# Altium PCB waffling80-MX-south.PcbDoc (part 1 of 3)
Units mm, origin at the board's own origin, x right, y up, seen from the top; angles counter-clockwise.
Board outline 343.71 x 126.52 mm, 2 copper layers (Component Side, Bottom Layer), stack 1.171 mm thick; 249 components, 145 nets, 1060 pads, 159 vias.
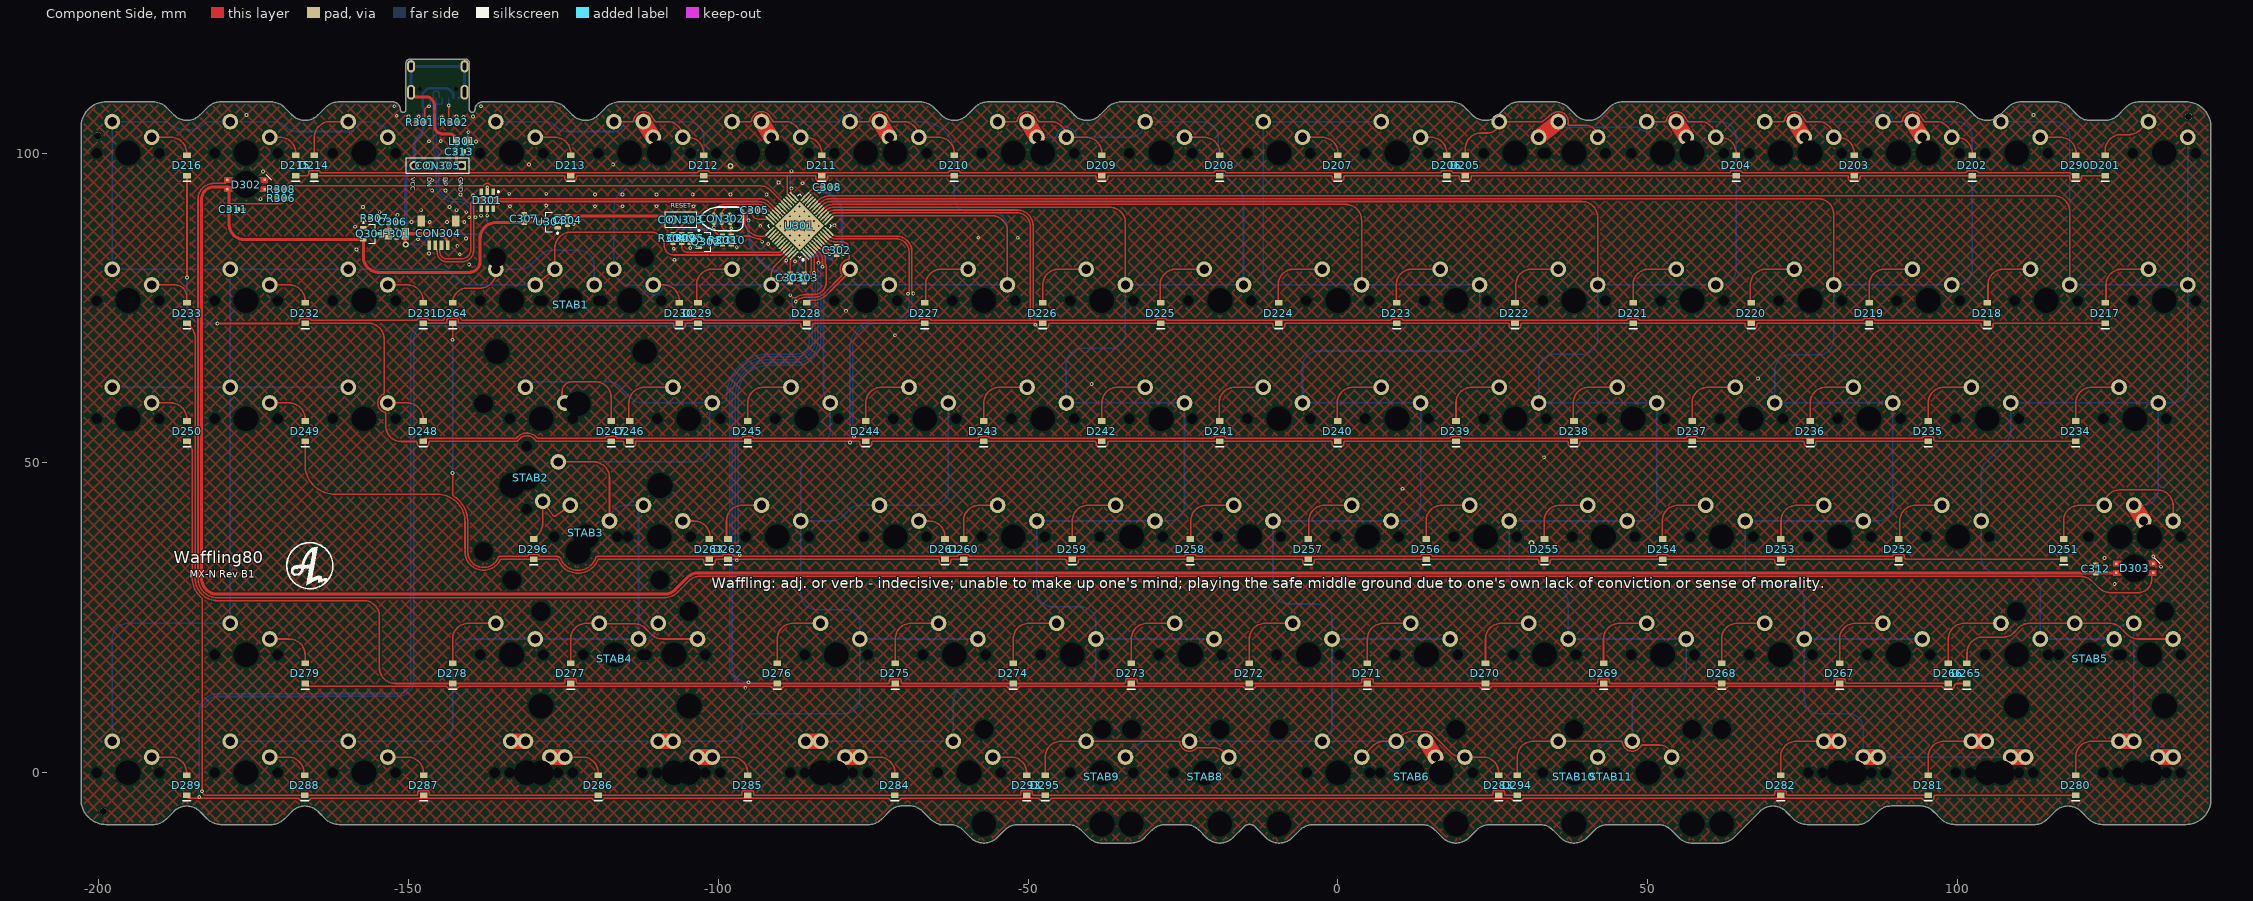
[diagram p0: Component Side view]
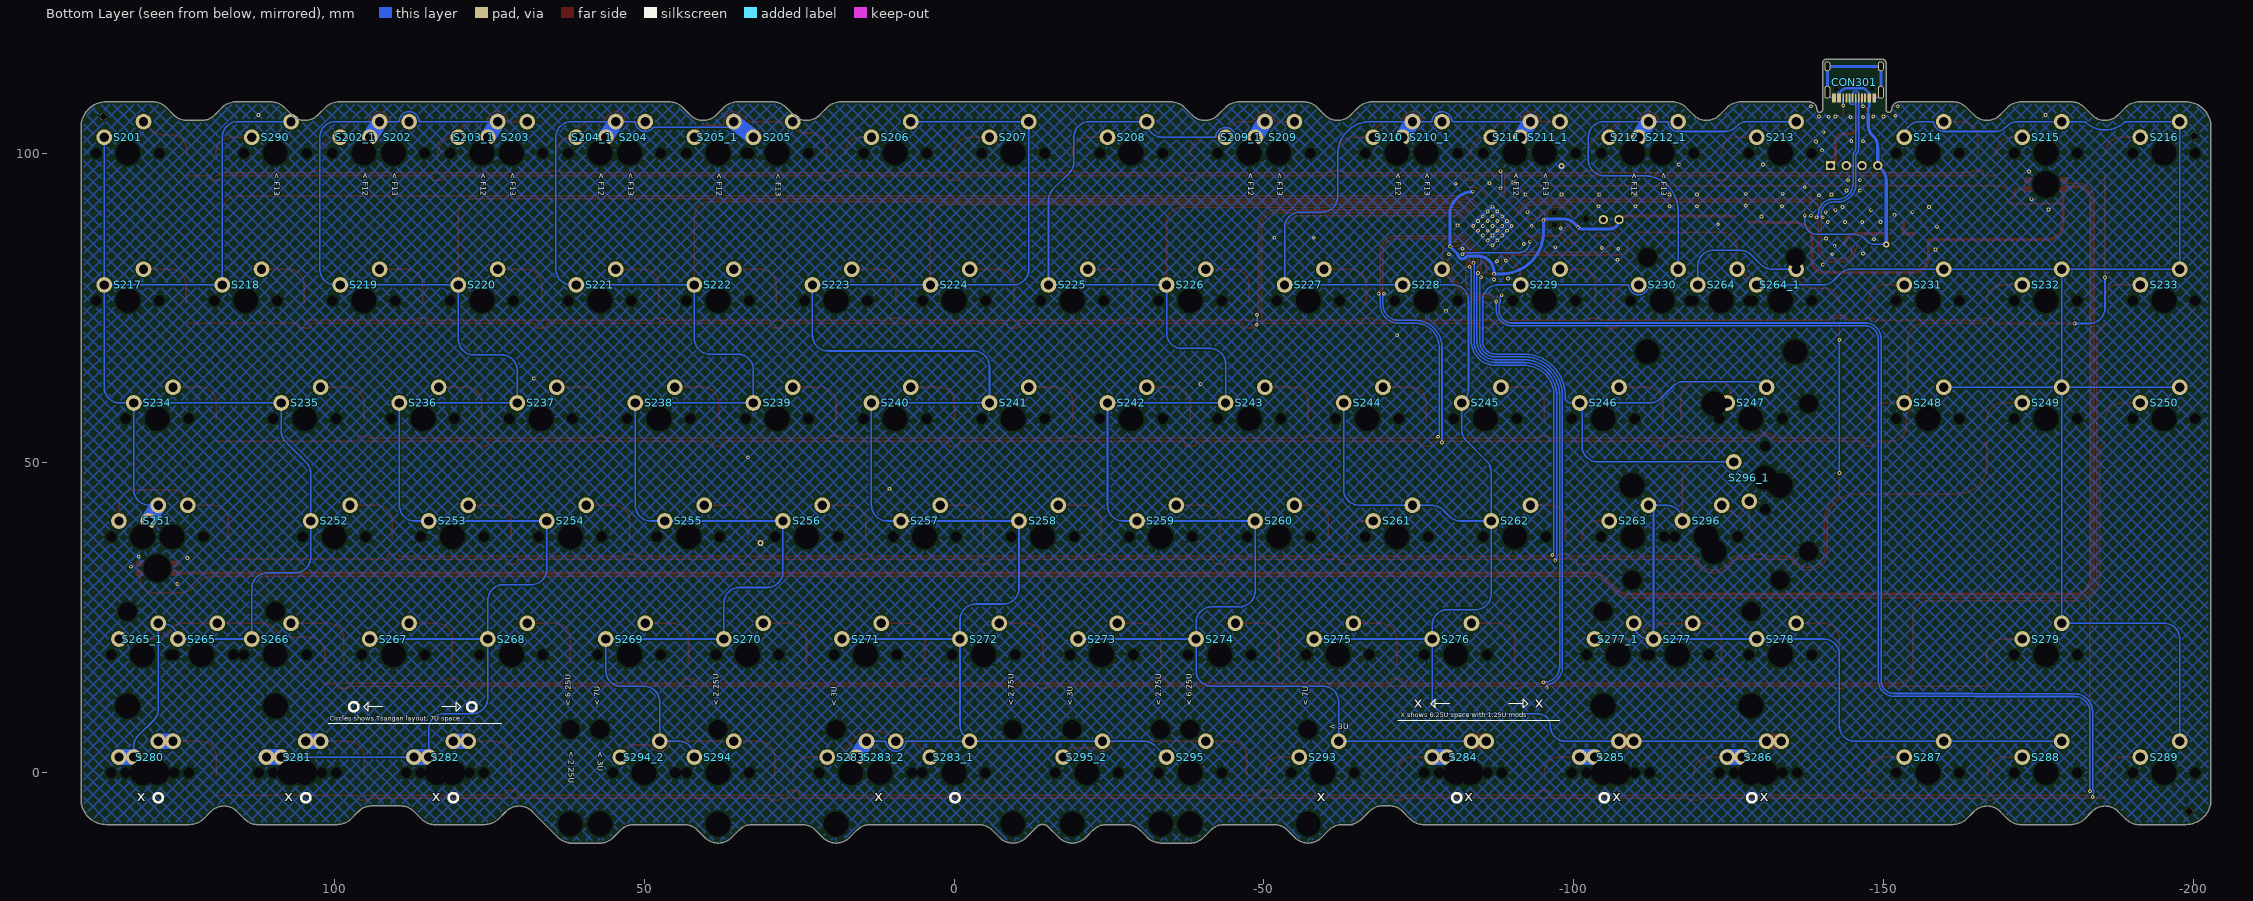
[diagram p1: Bottom Layer view, seen from below]
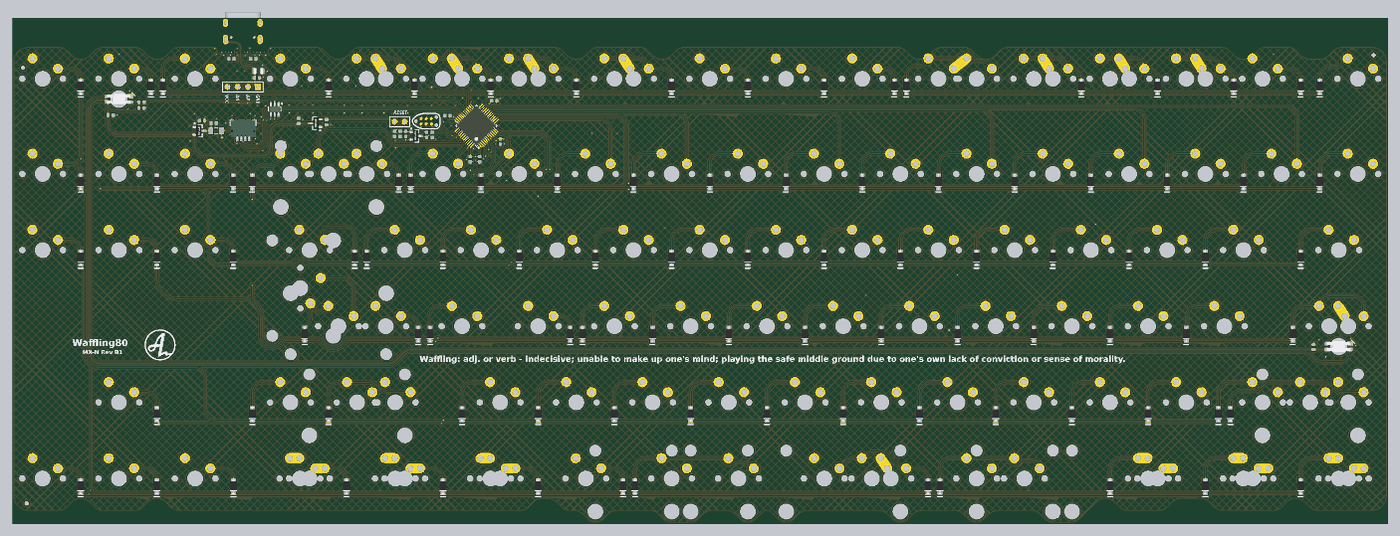
[diagram p4: 3D render of the assembled board from above, using the file's embedded part models]

## Layer stack, top to bottom
Top Solder: solder mask 0.0102, Solder Resist, Dk 3.5
Component Side: signal copper 0.0356
Dielectric 1: core 1.1, FR-4, Dk 4.2
Bottom Layer: signal copper 0.0356
Solder Side: solder mask 0.0102, Solder Resist, Dk 3.5

## Board outline
-198.845,-8.351 ccw(c-198.781,-4.321) -198.781,-8.352 ccw(c-198.781,-8.301) -198.774,-8.351 -191.269,-8.351 ccw(c-191.269,-5.235) -189.065,-7.438 -187.858,-6.231 cw(c-185.756,-8.301) -183.53,-6.366 ccw(c-183.492,-6.333) -183.527,-6.368 -182.457,-7.438 ccw(c-180.254,-5.235) -180.254,-8.351 -172.219,-8.351 ccw(c-172.219,-5.235) -170.015,-7.438 -168.808,-6.231 cw(c-166.706,-8.301) -164.48,-6.365 ccw(c-164.442,-6.333) -164.477,-6.368 -163.407,-7.438 ccw(c-161.204,-5.235) -161.204,-8.351 ccw(c-161.204,-8.301) -161.203,-8.351 -75.805,-8.351 ccw(c-75.805,-5.235) -73.601,-7.438 -72.377,-6.214 cw(c-70.276,-8.284) -70.276,-5.334 -69.116,-5.334 cw(c-69.116,-4.576) -69.116,-5.334 cw(c-69.116,-8.284) -66.89,-6.349 ccw(c-66.852,-6.316) -66.887,-6.352 -65.8,-7.438 ccw(c-63.597,-5.235) -64.316,-8.267 ccw(c-64.278,-8.3) -64.278,-8.351 -63.653,-8.351 ccw(c-63.597,-5.25) -63.597,-8.351 ccw(c-63.597,-8.301) -63.589,-8.351 -62.635,-8.351 cw(c-62.635,-11.366) -60.502,-9.234 -59.294,-10.442 ccw(c-57.137,-8.285) -54.98,-10.442 -53.772,-9.234 cw(c-51.64,-11.366) -51.64,-8.351 -43.589,-8.351 cw(c-43.589,-11.367) -41.457,-9.235 -40.249,-10.443 ccw(c-38.092,-8.286) -38.092,-11.336 ccw(c-38.092,-11.286) -38.09,-11.336 -33.368,-11.336 ccw(c-33.368,-8.286) -31.211,-10.443 -30.002,-9.235 -30.003,-9.235 -30.002,-9.235 cw(c-27.87,-11.367) -27.87,-8.351 -24.577,-8.351 cw(c-24.577,-11.367) -22.445,-9.235 -21.237,-10.443 ccw(c-19.08,-8.286) -16.923,-10.443 -15.171,-8.691 cw(c-14.286,-9.576) -13.4,-8.691 -11.649,-10.443 ccw(c-11.305,-10.099) -11.649,-10.443 ccw(c-9.492,-8.286) -7.335,-10.443 -6.126,-9.235 -6.127,-9.235 -6.126,-9.235 cw(c-3.994,-11.367) -3.994,-8.351 13.523,-8.351 cw(c13.523,-11.367) 15.655,-9.235 16.863,-10.443 ccw(c19.02,-8.286) 21.177,-10.443 22.386,-9.235 22.385,-9.235 22.386,-9.235 cw(c24.518,-11.367) 24.518,-8.351 32.573,-8.351 cw(c32.573,-11.367) 34.705,-9.235 35.913,-10.443 ccw(c38.07,-8.286) 40.227,-10.443 41.436,-9.235 41.435,-9.235 41.436,-9.235 cw(c43.568,-11.367) 43.568,-8.351 51.655,-8.351 cw(c51.655,-11.367) 53.787,-9.235 54.995,-10.443 ccw(c57.152,-8.286) 57.152,-11.336 ccw(c57.152,-11.286) 57.161,-11.336 61.715,-11.335 ccw(c61.717,-11.28) 61.717,-11.335 ccw(c61.717,-8.219) 61.729,-11.335 61.986,-11.335 ccw(c61.986,-11.285) 62.022,-11.32 ccw(c61.717,-8.219) 63.92,-10.423 68.112,-6.231 cw(c68.074,-6.193) 68.112,-6.231 cw(c70.214,-8.301) 72.44,-6.365 ccw(c72.478,-6.333) 72.443,-6.368 73.513,-7.438 ccw(c75.716,-5.235) 75.716,-8.351 83.766,-8.351 ccw(c83.766,-5.235) 85.969,-7.438 87.177,-6.231 cw(c89.278,-8.301) 89.278,-5.351 94.112,-5.351 ccw(c94.125,-5.302) 94.123,-5.353 cw(c94.024,-8.301) 96.25,-6.366 ccw(c96.288,-6.333) 96.253,-6.368 97.323,-7.438 ccw(c99.526,-5.235) 99.526,-8.351 112.321,-8.351 ccw(c112.321,-5.235) 114.525,-7.438 115.732,-6.231 cw(c117.834,-8.301) 120.06,-6.365 ccw(c120.098,-6.333) 120.063,-6.368 121.133,-7.438 ccw(c123.336,-5.235) 123.336,-8.351 136.832,-8.351 ccw(c136.832,-4.301) 140.882,-4.301 ccw(c140.832,-4.301) 140.881,-4.294 140.881,104.231 ccw(c140.831,104.232) 140.881,104.232 ccw(c136.831,104.232) 136.831,108.282 ccw(c136.831,108.232) 136.824,108.282 129.318,108.282 ccw(c129.318,105.165) 127.115,107.369 125.867,106.121 cw(c123.806,108.231) 123.807,105.282 ccw(c123.806,105.234) 123.805,105.282 121.432,105.282 ccw(c121.432,105.263) 121.432,105.282 cw(c121.425,108.231) 119.165,106.335 ccw(c119.128,106.304) 119.162,106.339 118.132,107.369 ccw(c115.928,105.165) 115.929,108.282 110.269,108.282 ccw(c110.269,105.165) 108.065,107.369 106.858,106.161 cw(c106.882,106.138) 106.858,106.162 106.858,106.161 cw(c104.756,108.231) 102.53,106.296 ccw(c102.494,106.265) 102.527,106.299 101.457,107.369 ccw(c99.254,105.165) 99.254,108.282 97.338,108.282 47.826,108.282 ccw(c47.825,108.228) 47.825,108.282 45.975,108.282 cw(c45.975,108.259) 45.975,108.282 47.826,108.282 45.975,108.282 ccw(c45.975,105.165) 43.771,107.369 42.564,106.161 cw(c40.462,108.231) 38.236,106.296 ccw(c38.2,106.265) 38.233,106.299 37.163,107.369 ccw(c34.96,105.165) 34.96,108.282 29.292,108.282 ccw(c29.292,105.165) 27.088,107.369 25.881,106.161 cw(c23.779,108.231) 21.553,106.296 ccw(c21.517,106.265) 21.55,106.299 20.48,107.369 ccw(c18.277,105.165) 18.277,108.282 17.191,108.282 -34.988,108.282 ccw(c-34.988,108.249) -34.989,108.282 cw(c-34.989,107.503) -34.988,108.282 -34.989,108.282 ccw(c-34.988,105.165) -37.192,107.369 -38.399,106.161 cw(c-40.501,108.231) -42.727,106.296 ccw(c-42.763,106.265) -42.73,106.299 -43.8,107.369 ccw(c-46.003,105.165) -46.003,108.282 -56.419,108.282 ccw(c-56.419,105.165) -58.623,107.369 -59.83,106.161 cw(c-61.932,108.231) -64.158,106.296 ccw(c-64.194,106.265) -64.161,106.299 -65.231,107.369 ccw(c-67.434,105.165) -67.434,108.282 -115.934,108.282 ccw(c-115.934,108.249) -115.935,108.282 cw(c-115.934,107.503) -115.934,108.282 -115.935,108.282 ccw(c-115.934,105.165) -118.138,107.369 -119.345,106.161 cw(c-119.321,106.138) -119.344,106.162 -119.345,106.161 cw(c-121.447,108.231) -123.673,106.296 ccw(c-123.709,106.265) -123.675,106.299 -124.745,107.369 ccw(c-126.949,105.165) -126.949,108.282 -138.006,108.282 ccw(c-138.006,107.025) -139.262,107.025 cw(c-139.712,107.025) -140.161,107.025 -140.161,114.537 ccw(c-140.805,114.537) -140.805,115.182 -149.745,115.182 ccw(c-149.745,114.521) -150.406,114.521 -150.406,107.025 cw(c-150.855,107.025) -151.305,107.025 ccw(c-152.561,107.025) -152.561,108.282 -161.193,108.282 ccw(c-161.193,105.165) -163.397,107.369 -164.604,106.161 cw(c-166.706,108.231) -168.932,106.296 ccw(c-168.968,106.265) -168.935,106.299 -170.005,107.369 ccw(c-172.208,105.165) -172.208,108.282 -180.243,108.282 ccw(c-180.243,105.165) -182.447,107.369 -183.654,106.161 cw(c-185.756,108.231) -187.982,106.296 ccw(c-188.018,106.265) -187.985,106.299 -189.055,107.369 ccw(c-191.258,105.165) -191.258,108.282 -198.781,108.282 ccw(c-198.781,104.231) -202.832,104.231 ccw(c-202.782,104.231) -202.831,104.224 -202.831,-4.301 ccw(c-202.781,-4.301) -202.831,-4.302 cw(c-201.819,-4.302) -202.831,-4.301 -202.831,-4.302 ccw(c-198.781,-4.301)

## Design rules (kind name [scope] priority, off if disabled: settings)
BoardOutlineClearance [All] p1: gap=0.254 ignorepadtopadclearanceinfootprint=FALSE except(0: Arc-SplitContinuation Track-SplitContinuation SMDPad-SplitContinuation THPad-SplitContinuation Via-SplitContinuation Fill-SplitContinuation Poly-SplitContinuation Region-SplitContinuation Text-SplitContinuation)
Clearance [All] p1: gap=0.2 ignorepadtopadclearanceinfootprint=FALSE except(0: Arc-Hole Track-Hole SMDPad-Hole THPad-Hole Via-Hole Fill-Hole Poly-Hole Region-Hole Text-Hole; 0.254: THPad-THPad THPad-Via THPad-Fill THPad-Poly THPad-Region THPad-Text Via-Via Via-Fill Via-Poly Via-Region Via-Text Fill-Fill Fill-Poly Fill-Region Fill-Text Poly-Poly Poly-Region Poly-Text Region-Region Region-Text Text-Text)
ComponentClearance [InComponent('No Component') And OnLayer('Component Side')] p1: gap=0.254 collisioncheckmode=3 verticalgap=0.254 showdistances=FALSE
DiffPairsRouting DiffPairsRouting_USB [InDifferentialPairClass('All Differential Pairs')] p1: maxlimit=0.254 minlimit=0.203 mostfreqgap=0.203 toplayer_minwidth=0.152 toplayer_maxwidth=0.381 toplayer_prefwidth=0.152 bottomlayer_minwidth=0.152 bottomlayer_maxwidth=0.381 bottomlayer_prefwidth=0.152 maxuncoupledlength=12.7
DiffPairsRouting [All] p2: maxlimit=0.254 minlimit=0.254 mostfreqgap=0.254 toplayer_minwidth=0.381 toplayer_maxwidth=0.381 toplayer_prefwidth=0.381 bottomlayer_minwidth=0.381 bottomlayer_maxwidth=0.381 bottomlayer_prefwidth=0.381 maxuncoupledlength=12.7
HoleSize [All] p1: absolutevalues=TRUE maxlimit=20 minlimit=0.025 maxpercent=80.000 minpercent=20.000
MatchedLengths MatchedLengths_USB_DiffPairs_1 [All] p1: tolerance=0.127 checknetsindiffpair=TRUE checkdiffpairvsdiffpair=FALSE checkxsignals=FALSE checkothers=FALSE
MatchedLengths MatchedLengths_USB_DiffPairs [All] p2: tolerance=0.127 checknetsindiffpair=TRUE checkdiffpairvsdiffpair=FALSE checkxsignals=FALSE checkothers=FALSE
PolygonConnect PolygonConnect_1 [All vs IsVia] p1: connectstyle=Direct reliefconductorwidth=0.254 reliefentries=4 polygonreliefangle="90 Angle" airgapwidth=0.254
PolygonConnect [All] p2: connectstyle=Relief reliefconductorwidth=0.254 reliefentries=4 polygonreliefangle="90 Angle" airgapwidth=0.254
RoutingVias [All] p1: holewidth=0.711 width=1.27 viastyle="Through Hole" minholewidth=0.711 minwidth=1.27 maxholewidth=0.711 maxwidth=1.27
SolderMaskExpansion [All] p1: expansion=0.102 istentingtop=FALSE
Width [All] p1: maxlimit=2.54 minlimit=0.203 preferedwidth=0.254 minimp=50.000000 maximp=50.000000 favimp=50.000000
27 further rules are at their usual default settings.

## Classes and differential pairs
component class Designator: C201 C202 C203 C204 C205 C206 D201 D202 D203 D204 D205 D206 D207 D208 D209 D210 D211 D212 D213 D214 D215 D216 D217 D218 D219 D220 D221 D222 D223 D224 D225 D226 D227 D228 D229 D230 D231 D232 D233 D234 D235 D236 D237 D238 D239 D240 D241 D242 D243 D244 D245 D246 D247 D248 D249 D250 D251 D252 D253 D254 D255 D256 D257 D258 D259 D260 D261 D262 D263 D264 D265 D266 D267 D268 D269 D270 D271 D272 D273 D274 D275 D276 D277 D278 D279 D280 D281 D282 D283 D284 D285 D286 D287 D288 D289 D290 D293 D294 D295 D296 S201 S202 S202_1 S203 S203_1 S204 S204_1 S205 S205_1 S206 S207 S208 S209 S209_1 S210 S210_1 S211 S211_1 S212 S212_1 S213 S214 S215 S216 S217 S218 S219 S220 S221 S222 S223 S224 S225 S226 S227 S228 S229 S230 S231 S232 S233 S234 S235 S236 S237 S238 S239 S240 S241 S242 S243 S244 S245 S246 S247 S248 S249 S250 S251 S252 S253 S254 S255 S256 S257 S258 S259 S260 S261 S262 S263 S264 S264_1 S265 S265_1 S266 S267 S268 S269 S270 S271 S272 S273 S274 S275 S276 S277 S277_1 S278 S279 S280 S281 S282 S283 S283_1 S283_2 S284 S285 S286 S287 S288 S289 S290 S293 S294 S294_2 S295 S295_2 S296 S296_1 STAB1 STAB2 STAB3 STAB4 STAB5 STAB6 STAB8 STAB9 STAB10 STAB11
differential pair D: +D_P -D_N

## Components (designator, comment, footprint, x,y, rotation, side; value= is the part's Value field where it differs from the comment)
C301 "" C0603[1608] -88.392,79.883 r90 top value=0.1uF
C302 "" C0603[1608] -80.899,84.328 r90 top value=0.1uF
C303 "" C0603[1608] -86.106,79.883 r90 top value=0.1uF
C304 "" C0603[1608] -124.333,89.154 r90 top value=0.1uF
C305 "" C0603[1608] -94.107,90.805 r180 top value=0.1uF
C306 "" C0603[1608] -152.527,88.9 r180 top value=4.7uF
C307 "" C0603[1608] -131.319,89.456 r270 top value=1uF
C308 "" C0603[1608] -82.423,94.488 r180 top value=0.1uF
C309 "" C0603[1608] -105.918,86.233 r90 top value=4.7uF
C310 "" C0603[1608] -97.917,85.979 r270 top value=470nF
C311 "" C0603[1608] -178.263,90.912 r180 top value=0.1uF
C312 "" C0603[1608] 122.301,32.893 r270 top value=0.1uF
C313 "" C0603[1608] -141.777,100.225 r180 top value=0.1uF
CON301 "TYPE-C-31-M-12" TYPE-C-31-M-12 -145.257,108.92 r0 bottom
CON302 "TC2030-IDC" TC2030-IDC-NL -99.441,89.408 r0 top
CON303 "Header 2" HDR1X2 -104.775,89.281 r180 top
CON304 "Header 5" "JST SM04B-SRSS-TB" -145.161,89.027 r180 top
CON305 "Header 4" HDR1X4 -149.067,98 r0 top
D201 "Diode" SOD-123 123.824,98.012 r90 top
D202 "Diode" SOD-123 102.362,98.012 r90 top
D203 "Diode" SOD-123 83.312,98.012 r90 top
D204 "Diode" SOD-123 64.262,98.012 r90 top
D205 "Diode" SOD-123 20.549,98.012 r90 top
D206 "Diode" SOD-123 17.549,98.012 r90 top
D207 "Diode" SOD-123 -0.001,98.012 r90 top
D208 "Diode" SOD-123 -19.051,98.012 r90 top
D209 "Diode" SOD-123 -38.101,98.012 r90 top
D210 "Diode" SOD-123 -61.914,98.012 r90 top
D211 "Diode" SOD-123 -83.312,98.012 r90 top
D212 "Diode" SOD-123 -102.362,98.012 r90 top
D213 "Diode" SOD-123 -123.826,98.012 r90 top
D214 "Diode" SOD-123 -165.188,98.012 r90 top
D215 "Diode" SOD-123 -168.188,98.012 r90 top
D216 "Diode" SOD-123 -185.737,98.012 r90 top
D217 "Diode" SOD-123 123.824,74.2 r90 top
D218 "Diode" SOD-123 104.774,74.2 r90 top
D219 "Diode" SOD-123 85.724,74.2 r90 top
D220 "Diode" SOD-123 66.674,74.2 r90 top
D221 "Diode" SOD-123 47.624,74.2 r90 top
D222 "Diode" SOD-123 28.574,74.2 r90 top
D223 "Diode" SOD-123 9.524,74.2 r90 top
D224 "Diode" SOD-123 -9.526,74.2 r90 top
D225 "Diode" SOD-123 -28.576,74.2 r90 top
D226 "Diode" SOD-123 -47.626,74.2 r90 top
D227 "Diode" SOD-123 -66.676,74.2 r90 top
D228 "Diode" SOD-123 -85.726,74.2 r90 top
D229 "Diode" SOD-123 -103.276,74.2 r90 top
D230 "Diode" SOD-123 -106.275,74.2 r90 top
D231 "Diode" SOD-123 -147.637,74.2 r90 top
D232 "Diode" SOD-123 -166.688,74.2 r90 top
D233 "Diode" SOD-123 -185.737,74.2 r90 top
D234 "Diode" SOD-123 119.062,55.15 r90 top
D235 "Diode" SOD-123 95.249,55.15 r90 top
D236 "Diode" SOD-123 76.199,55.15 r90 top
D237 "Diode" SOD-123 57.149,55.15 r90 top
D238 "Diode" SOD-123 38.099,55.15 r90 top
D239 "Diode" SOD-123 19.049,55.15 r90 top
D240 "Diode" SOD-123 -0.001,55.15 r90 top
D241 "Diode" SOD-123 -19.051,55.15 r90 top
D242 "Diode" SOD-123 -38.101,55.15 r90 top
D243 "Diode" SOD-123 -57.151,55.15 r90 top
D244 "Diode" SOD-123 -76.201,55.15 r90 top
D245 "Diode" SOD-123 -95.251,55.15 r90 top
D246 "Diode" SOD-123 -114.301,55.15 r90 top
D247 "Diode" SOD-123 -117.3,55.15 r90 top
D248 "Diode" SOD-123 -147.637,55.15 r90 top
D249 "Diode" SOD-123 -166.688,55.15 r90 top
D250 "Diode" SOD-123 -185.737,55.15 r90 top
D251 "Diode" SOD-123 117.099,36.1 r90 top
D252 "Diode" SOD-123 90.487,36.1 r90 top
D253 "Diode" SOD-123 71.437,36.1 r90 top
D254 "Diode" SOD-123 52.387,36.1 r90 top
D255 "Diode" SOD-123 33.337,36.1 r90 top
D256 "Diode" SOD-123 14.287,36.1 r90 top
D257 "Diode" SOD-123 -4.763,36.1 r90 top
D258 "Diode" SOD-123 -23.813,36.1 r90 top
D259 "Diode" SOD-123 -42.863,36.1 r90 top
D260 "Diode" SOD-123 -60.413,36.1 r90 top
D261 "Diode" SOD-123 -63.413,36.1 r90 top
D262 "Diode" SOD-123 -98.431,36.1 r90 top
D263 "Diode" SOD-123 -101.431,36.1 r90 top
D264 "Diode" SOD-123 -142.876,74.2 r90 top
D265 "Diode" SOD-123 101.514,16.05 r90 top
D266 "Diode" SOD-123 98.514,16.05 r90 top
D267 "Diode" SOD-123 80.962,16.05 r90 top
D268 "Diode" SOD-123 61.912,16.05 r90 top
D269 "Diode" SOD-123 42.862,16.05 r90 top
D270 "Diode" SOD-123 23.812,16.05 r90 top
D271 "Diode" SOD-123 4.762,16.05 r90 top
D272 "Diode" SOD-123 -14.288,16.05 r90 top
D273 "Diode" SOD-123 -33.338,16.05 r90 top
D274 "Diode" SOD-123 -52.388,16.05 r90 top
D275 "Diode" SOD-123 -71.438,16.05 r90 top
D276 "Diode" SOD-123 -90.488,16.05 r90 top
D277 "Diode" SOD-123 -123.826,16.05 r90 top
D278 "Diode" SOD-123 -142.876,16.05 r90 top
D279 "Diode" SOD-123 -166.688,16.05 r90 top
D280 "Diode" SOD-123 119.062,-2 r90 top
D281 "Diode" SOD-123 95.25,-2 r90 top
D282 "Diode" SOD-123 71.437,-2 r90 top
D283 "Diode" SOD-123 25.956,-2 r90 top
D284 "Diode" SOD-123 -71.496,-2 r90 top
D285 "Diode" SOD-123 -95.245,-2 r90 top
D286 "Diode" SOD-123 -119.375,-2 r90 top
D287 "Diode" SOD-123 -147.569,-2 r90 top
D288 "Diode" SOD-123 -166.746,-2 r90 top
D289 "Diode" SOD-123 -185.796,-2 r90 top
D290 "Diode" SOD-123 119.062,98.012 r90 top
D293 "Diode" SOD-123 -50.241,-2 r90 top
D294 "Diode" SOD-123 28.956,-2 r90 top
D295 "Diode" SOD-123 -47.241,-2 r90 top
D296 "Diode" SOD-123 -129.789,36.1 r90 top
D301 "SRV05" SOT-23-6 -137.287,92.405 r270 top
D302 "SK6812MINI-E" "SK6812MINI-E - shaped" -176.213,94.932 r180 top
D303 "SK6812MINI-E" "SK6812MINI-E - shaped" 128.587,33.02 r180 top
F301 "Fuse Thermal" C1206[3216] -151.892,86.995 r0 top
L301 "Inductor" L0805 -141.351,101.944 r180 top
Q301 "PMOS-2" SOT-23-3 -156.083,86.995 r0 top
Q302 "2N7002 NMOS" SOT-23-3 -101.945,85.725 r0 top
R301 "Res1" R0603[1608] -148.082,105 r180 top value=5k1
R302 "Res1" R0603[1608] -142.621,105 r0 top value=5k1